# Altium PCB PCB.PcbDoc (part 8 of 10)
Units mil, origin at the board's own origin, x right, y up, seen from the top; angles counter-clockwise.
Board outline 4370.08 x 4921.26 mil, 6 copper layers (Component Side, Ground Plane I, Signal Layer 1, Power Plane, Ground Plane II, Solder Side), stack 57.638 mil thick; 274 components, 415 nets, 1726 pads, 902 vias.
Unrouted connection lines stored in the file: 2.
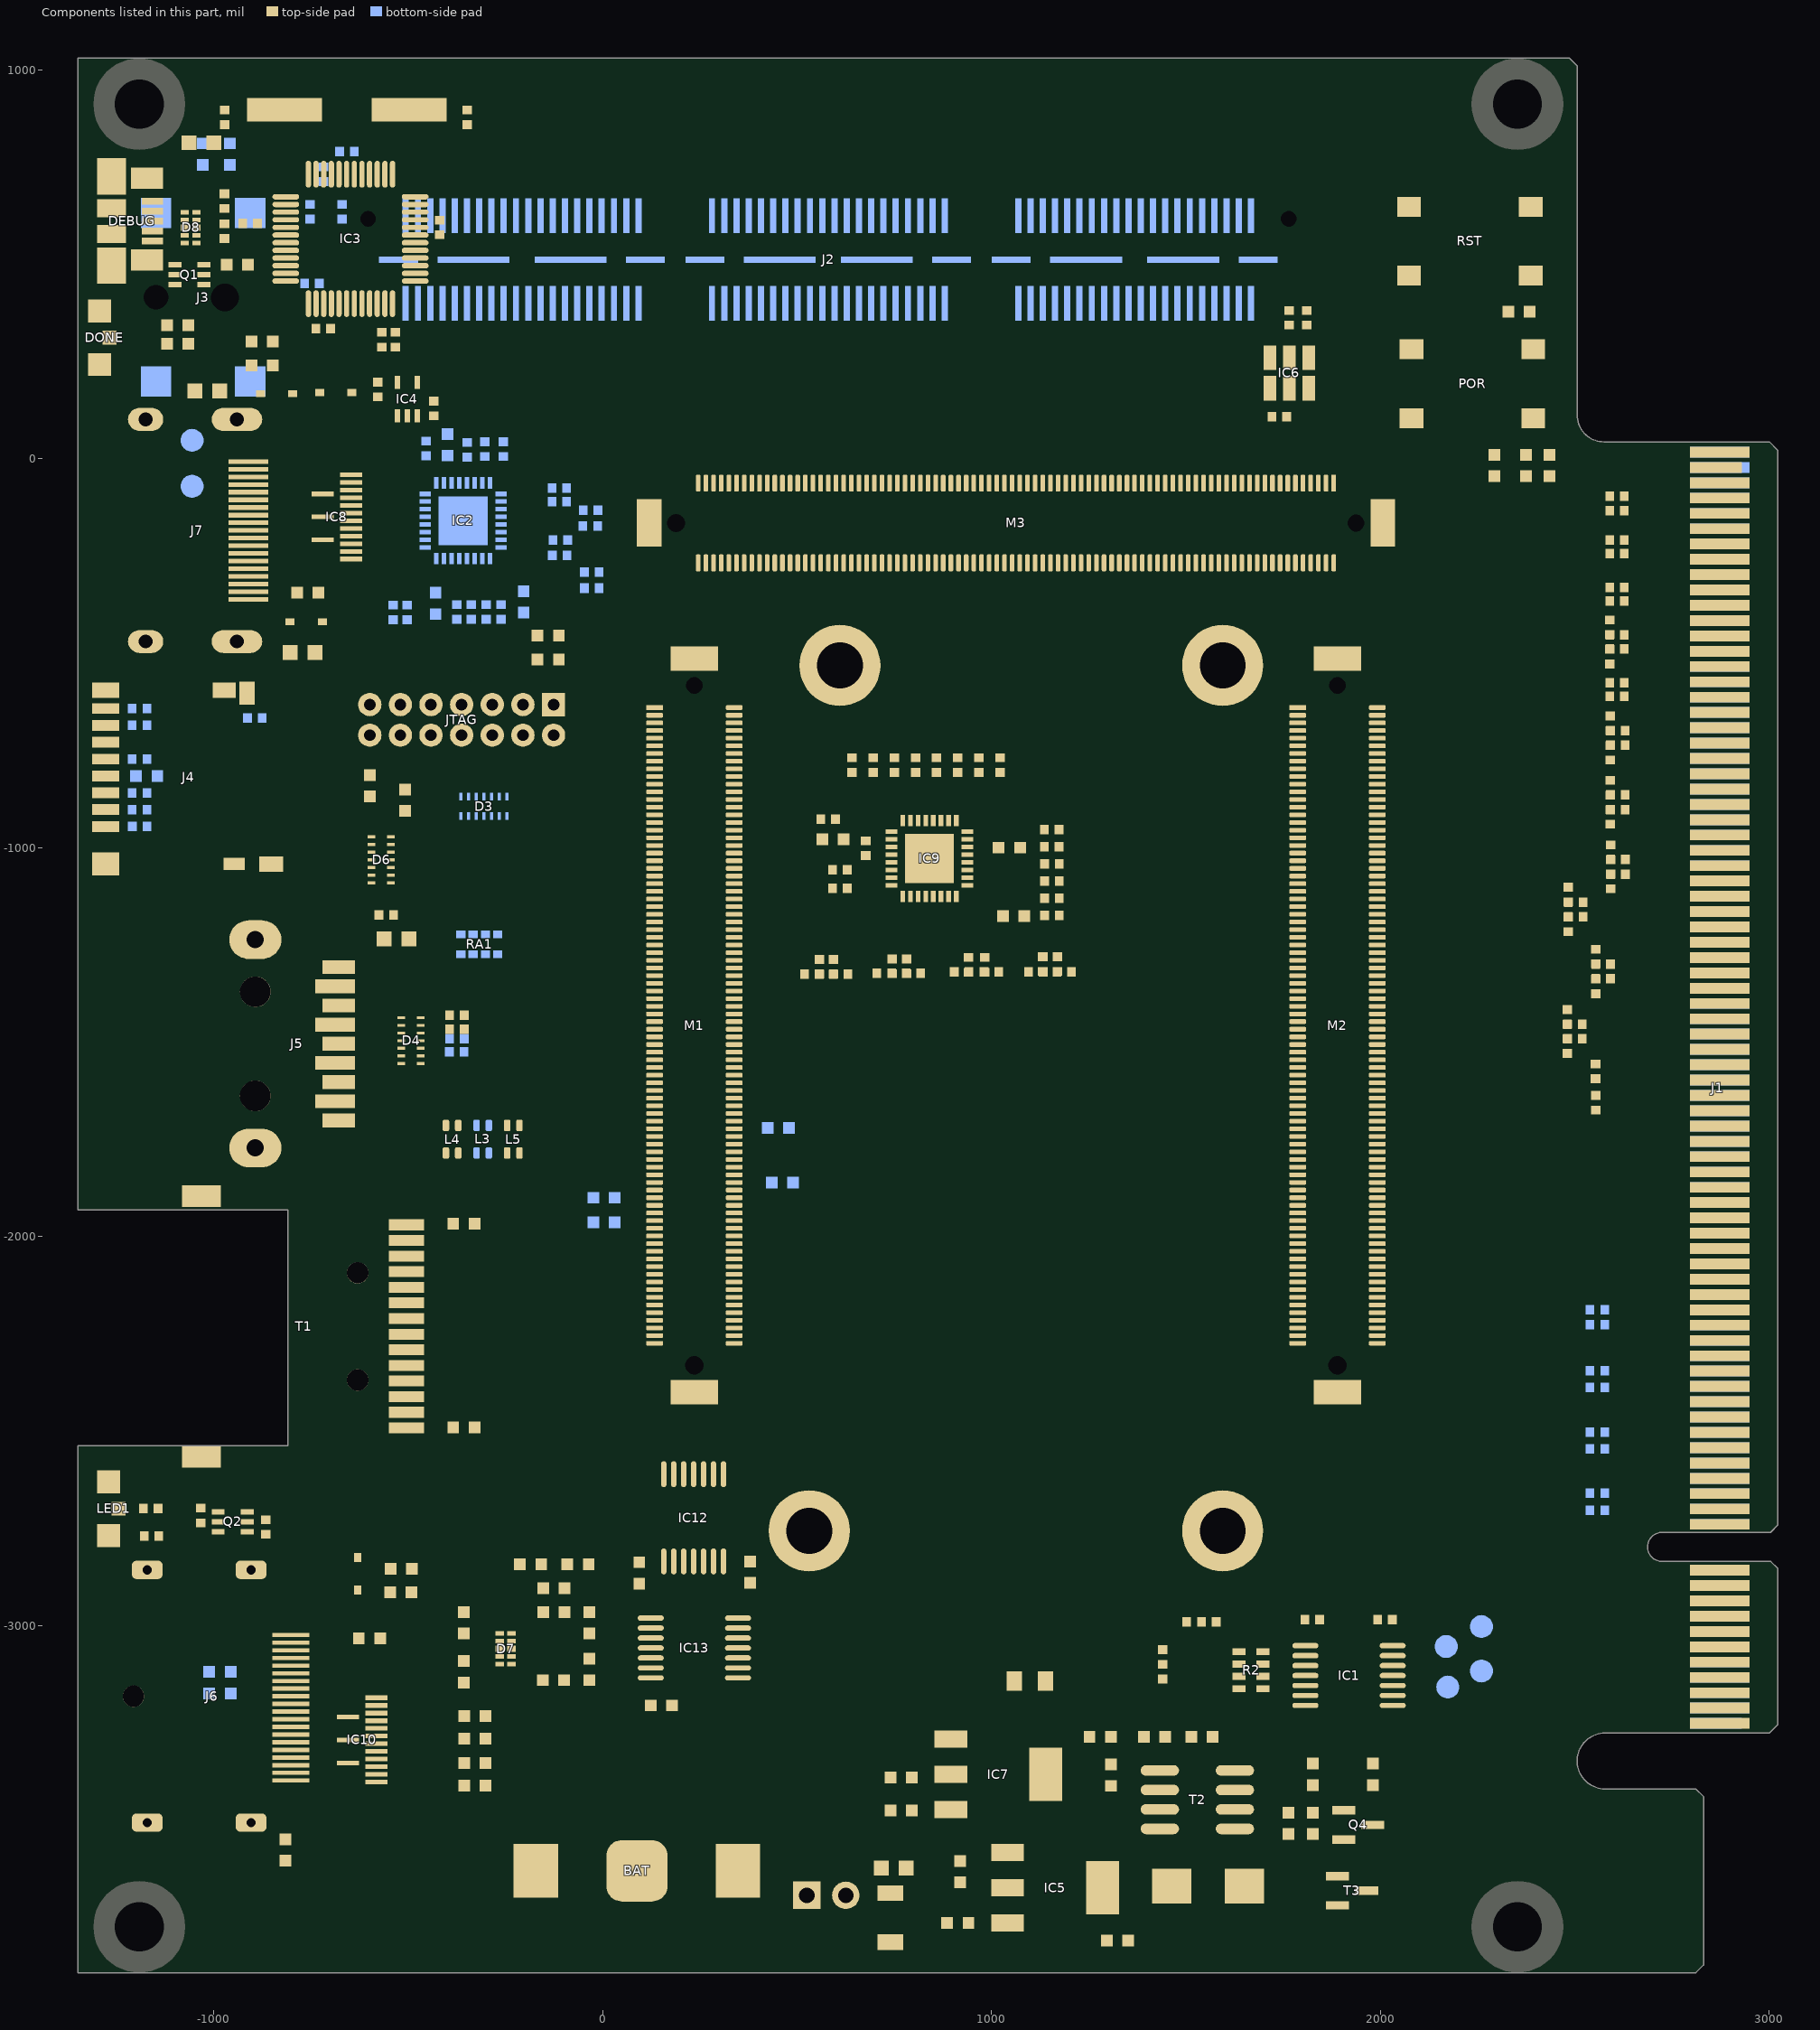
[diagram p12: the components of this part, seen from the top]

## Via types
v1: diameter 23.62, hole 9.84, Component Side to Solder Side, 902 vias

## Nets (pads, with @x,y where several pads share a name; then routed paths per layer and width w, separated by ;. In a path a pad name is that pad's centre, name@x,y a point inside that pad or via, vN(x,y) a via of type N, cw(c..) or ccw(c..) an arc to the next point about the centre after c; other vN are vias at no path point) (continued)
copper on no net: (continued)
  Component Side w0.39: 208.4,856.79 295.21,856.79 ; 208.4,857.18 295.21,857.18 ; 208.4,857.57 294.82,857.57 ; 208.4,857.96 294.82,857.96 ; 208.4,858.36 294.43,858.36 ; 208.4,858.75 294.43,858.75 ; 208.4,859.14 294.43,859.14 ; 208.4,859.53 294.04,859.53 ; 208.4,859.93 294.04,859.93 ; 208.4,860.32 294.04,860.32 ; 208.4,860.71 293.64,860.71 ; 208.4,861.11 293.64,861.11 ; 208.4,861.5 293.64,861.5 ; 208.4,861.89 293.25,861.89 ; 208.4,862.28 293.25,862.28 ; 208.4,862.68 293.25,862.68 ; 208.4,863.07 292.86,863.07 ; 208.4,863.46 292.86,863.46 ; 208.4,863.86 292.86,863.86 ; 208.4,864.25 292.86,864.25 ; 208.4,864.64 292.46,864.64 ; 208.4,865.03 292.46,865.03 ; 208.4,865.43 292.46,865.43 ; 208.4,865.82 292.46,865.82 ; 208.4,866.21 292.46,866.21 ; 208.4,866.61 292.07,866.61 ; 208.4,867 292.07,867 ; 208.4,867.39 292.07,867.39 ; 208.4,867.78 292.07,867.78 ; 208.4,868.18 292.07,868.18 ; 208.4,868.57 292.07,868.57 ; 208.4,868.96 292.07,868.96 ; 208.4,869.36 292.07,869.36 ; 208.4,869.75 292.07,869.75 ; 208.4,870.14 292.07,870.14 ; 208.4,870.53 292.07,870.53 ; 208.4,870.93 292.07,870.93 ; 208.4,871.32 291.68,871.32 ; 208.4,871.71 292.07,871.71 ; 208.4,872.11 292.07,872.11 ; 208.4,872.5 292.07,872.5 ; 208.4,872.89 292.07,872.89 ; 208.4,873.28 292.07,873.28 ; 208.4,873.68 292.07,873.68 ; 208.4,874.07 292.07,874.07 ; 208.4,874.46 292.07,874.46 ; 208.4,874.85 292.07,874.85 ; 208.4,875.25 292.07,875.25 ; 208.4,875.64 292.07,875.64 ; 208.4,876.03 292.07,876.03 ; 208.4,876.43 292.46,876.43 ; 208.4,876.82 292.46,876.82 ; 208.4,877.21 292.46,877.21 ; 208.4,877.6 292.46,877.6 ; 208.4,878 292.46,878 ; 208.4,878.39 292.46,878.39 ; 208.4,878.78 292.86,878.78 ; 208.4,879.18 292.86,879.18 ; 208.4,879.57 292.86,879.57 ; 208.4,879.96 292.86,879.96 ; 208.4,880.35 293.25,880.35 ; 208.4,880.75 293.25,880.75 ; 208.4,881.14 293.25,881.14 ; 208.4,881.53 293.64,881.53 ; 208.4,881.93 293.64,881.93 ; 208.4,882.32 293.64,882.32 ; 208.4,882.71 294.04,882.71 ; 208.4,883.1 294.04,883.1 ; 208.4,883.5 294.04,883.5 ; 208.4,883.89 294.43,883.89 ; 208.4,884.28 294.43,884.28 ; 208.4,884.68 294.82,884.68 ; 208.4,885.07 294.82,885.07 ; 208.4,885.46 295.21,885.46 ; 208.4,885.85 295.21,885.85 ; 208.4,886.25 295.61,886.25 ; 208.4,886.64 295.61,886.64 ; 208.79,856 295.61,856 ; 208.79,856.39 295.61,856.39 ; 208.79,887.03 296,887.03 ; 209.19,887.43 296,887.43 ; 209.58,855.61 296,855.61 ; 210.76,887.82 296.39,887.82 ; 211.15,855.21 296,855.21 ; 212.72,888.21 296.39,888.21 ; 213.11,854.82 296.39,854.82 ; 214.69,888.6 296.79,888.6 ; 215.47,854.43 296.79,854.43 ; 217.04,889 297.18,889 ; 217.44,854.04 296.79,854.04 ; 219.01,889.39 297.18,889.39 ; 219.4,853.64 297.18,853.64 ; 220.97,889.78 297.57,889.78 ; 221.76,853.25 297.57,853.25 ; 223.33,890.17 297.96,890.17 ; 223.72,852.86 297.57,852.86 ; 225.29,890.57 297.96,890.57 ; 225.69,852.46 297.96,852.46 ; 227.65,890.96 298.36,890.96 ; 228.04,852.07 298.36,852.07 ; 229.61,891.35 298.75,891.35 ; 230.01,851.68 298.36,851.68 ; 231.58,800.61 295.61,800.61 ; 231.58,801.01 295.61,801.01 ; 231.58,891.75 299.14,891.75 ; 231.58,942.03 417.38,942.03 ; 231.58,942.42 417.38,942.42 ; 231.97,799.83 295.21,799.83 ; 231.97,800.22 295.21,800.22 ; 231.97,801.4 295.61,801.4 ; 231.97,801.79 296,801.79 ; 231.97,941.24 416.99,941.24 ; 231.97,941.63 416.99,941.63 ; 231.97,942.81 416.99,942.81 ; 231.97,943.21 416.99,943.21 ; 232.36,799.43 294.82,799.43 ; 232.36,802.18 296,802.18 ; 232.36,802.58 296.39,802.58 ; 232.36,851.29 298.75,851.29 ; 232.36,940.85 416.59,940.85 ; 232.36,943.6 416.59,943.6 ; 232.76,799.04 294.82,799.04 ; 232.76,802.97 296.39,802.97 ; 232.76,940.06 416.2,940.06 ; 232.76,940.46 416.2,940.46 ; 232.76,943.99 416.2,943.99 ; 233.15,798.65 294.82,798.65 ; 233.15,803.36 296.79,803.36 ; 233.15,803.75 296.79,803.75 ; 233.15,939.67 415.81,939.67 ; 233.15,944.38 415.81,944.38 ; 233.54,798.26 294.43,798.26 ; 233.54,804.15 296.79,804.15 ; 233.54,938.88 415.42,938.88 ; 233.54,939.28 415.42,939.28 ; 233.54,944.78 415.42,944.78 ; 233.93,797.86 294.43,797.86 ; 233.93,804.54 297.18,804.54 ; 233.93,804.93 297.18,804.93 ; 233.93,892.14 299.14,892.14 ; 233.93,938.49 415.02,938.49 ; 233.93,945.17 415.02,945.17 ; 234.33,797.47 294.04,797.47 ; 234.33,805.33 297.57,805.33 ; 234.33,850.89 299.14,850.89 ; 234.33,937.71 414.63,937.71 ; 234.33,938.1 414.63,938.1 ; 234.33,945.56 414.63,945.56 ; 234.72,797.08 294.04,797.08 ; 234.72,805.72 297.57,805.72 ; 234.72,937.31 414.24,937.31 ; 234.72,945.95 414.24,945.95 ; 235.11,796.68 293.64,796.68 ; 235.11,806.11 297.57,806.11 ; 235.11,806.5 297.96,806.5 ; 235.11,936.53 413.84,936.53 ; 235.11,936.92 413.84,936.92 ; 235.11,946.35 413.84,946.35 ; 235.51,796.29 293.64,796.29 ; 235.51,806.9 297.96,806.9 ; 235.51,936.13 413.45,936.13 ; 235.51,946.74 413.45,946.74 ; 235.9,795.9 293.64,795.9 ; 235.9,807.29 298.36,807.29 ; 235.9,807.68 298.36,807.68 ; 235.9,892.53 299.53,892.53 ; 235.9,935.35 413.06,935.35 ; 235.9,935.74 413.06,935.74 ; 235.9,947.13 279.5,947.13 ; 236.29,795.51 293.25,795.51 ; 236.29,808.08 298.36,808.08 ; 236.29,850.5 299.53,850.5 ; 236.29,934.96 412.67,934.96 ; 236.29,947.53 278.72,947.53 ; 236.68,795.11 293.25,795.11 ; 236.68,808.47 298.75,808.47 ; 236.68,808.86 298.75,808.86 ; 236.68,934.56 412.27,934.56 ; 236.68,947.92 278.32,947.92 ; 237.08,794.72 277.93,794.72 ; 237.08,809.25 299.14,809.25 ; 237.08,933.78 411.88,933.78 ; 237.08,934.17 411.88,934.17 ; 237.08,948.31 277.93,948.31 ; 237.47,794.33 277.14,794.33 ; 237.47,809.65 299.14,809.65 ; 237.47,810.04 299.53,810.04 ; 237.47,933.38 411.49,933.38 ; 237.47,948.7 277.14,948.7 ; 237.86,793.93 276.36,793.93 ; 237.86,810.43 299.53,810.43 ; 237.86,850.11 299.93,850.11 ; 237.86,892.92 299.93,892.92 ; 237.86,932.6 411.1,932.6 ; 237.86,932.99 411.1,932.99 ; 237.86,949.1 276.75,949.1 ; 238.26,793.54 275.97,793.54 ; 238.26,810.83 299.53,810.83 ; 238.26,811.22 299.93,811.22 ; 238.26,932.21 410.7,932.21 ; 238.26,949.49 275.97,949.49 ; 238.65,793.15 275.18,793.15 ; 238.65,811.61 299.93,811.61 ; 238.65,849.32 300.32,849.32 ; 238.65,849.71 300.32,849.71 ; 238.65,893.32 300.32,893.32 ; 238.65,931.42 410.31,931.42 ; 238.65,931.81 410.31,931.81 ; 238.65,949.88 275.57,949.88 ; 239.04,792.76 274.79,792.76 ; 239.04,812 300.32,812 ; 239.04,848.93 300.71,848.93 ; 239.04,931.03 409.92,931.03 ; 239.04,950.28 274.79,950.28 ; 239.43,792.36 274,792.36 ; 239.43,812.4 300.32,812.4 ; 239.43,812.79 300.32,812.79 ; 239.43,847.75 302.28,847.75 ; 239.43,848.14 301.5,848.14 ; 239.43,848.54 301.11,848.54 ; 239.43,893.71 300.71,893.71 ; 239.43,930.24 409.52,930.24 ; 239.43,930.63 409.52,930.63 ; 239.43,950.67 274.39,950.67 ; 239.83,791.97 273.61,791.97 ; 239.83,813.18 300.71,813.18 ; 239.83,846.96 303.07,846.96 ; 239.83,847.36 302.68,847.36 ; 239.83,894.1 301.11,894.1 ; 239.83,894.5 301.5,894.5 ; 239.83,929.85 409.13,929.85 ; 239.83,951.06 273.61,951.06 ; 240.22,791.58 273.22,791.58 ; 240.22,813.58 300.71,813.58 ; 240.22,813.97 301.11,813.97 ; 240.22,845.79 304.25,845.79 ; 240.22,846.18 303.86,846.18 ; 240.22,846.57 303.46,846.57 ; 240.22,894.89 301.89,894.89 ; 240.22,895.28 302.28,895.28 ; 240.22,929.06 408.74,929.06 ; 240.22,929.46 408.74,929.46 ; 240.22,951.45 273.22,951.45 ; 240.61,791.18 272.43,791.18 ; 240.61,814.36 301.11,814.36 ; 240.61,845 305.43,845 ; 240.61,845.39 305.03,845.39 ; 240.61,895.67 302.68,895.67 ; 240.61,896.07 303.07,896.07 ; 240.61,896.46 303.46,896.46 ; 240.61,928.67 408.35,928.67 ; 240.61,951.85 272.43,951.85 ; 241.01,790.79 272.04,790.79 ; 241.01,814.75 301.5,814.75 ; 241.01,815.15 301.5,815.15 ; 241.01,843.82 307,843.82 ; 241.01,844.22 306.61,844.22 ; 241.01,844.61 305.82,844.61 ; 241.01,896.85 304.25,896.85 ; 241.01,897.25 304.64,897.25 ; 241.01,927.89 407.95,927.89 ; 241.01,928.28 407.95,928.28 ; 241.01,952.24 272.04,952.24 ; 241.4,790.4 271.25,790.4 ; 241.4,815.54 301.5,815.54 ; 241.4,843.04 308.18,843.04 ; 241.4,843.43 307.39,843.43 ; 241.4,897.64 305.03,897.64 ; 241.4,898.03 305.82,898.03 ; 241.4,927.49 407.56,927.49 ; 241.4,952.63 271.64,952.63 ; 241.79,790.01 270.86,790.01 ; 241.79,815.93 301.89,815.93 ; 241.79,816.32 301.89,816.32 ; 241.79,841.86 309.75,841.86 ; 241.79,842.25 309.36,842.25 ; 241.79,842.64 308.57,842.64 ; 241.79,898.42 306.21,898.42 ; 241.79,898.82 307,898.82 ; 241.79,899.21 307.39,899.21 ; 241.79,927.1 407.17,927.1 ; 241.79,953.03 270.86,953.03 ; 242.18,789.61 270.07,789.61 ; 242.18,816.72 302.28,816.72 ; 242.18,841.07 310.93,841.07 ; 242.18,841.47 310.53,841.47 ; 242.18,899.6 308.18,899.6 ; 242.18,900 308.96,900 ; 242.18,926.31 406.77,926.31 ; 242.18,926.71 406.77,926.71 ; 242.18,953.42 270.47,953.42 ; 242.58,789.22 269.68,789.22 ; 242.58,817.11 302.28,817.11 ; 242.58,817.5 302.28,817.5 ; 242.58,839.89 311.71,839.89 ; 242.58,840.29 311.71,840.29 ; 242.58,840.68 311.32,840.68 ; 242.58,900.39 309.75,900.39 ; 242.58,900.78 310.53,900.78 ; 242.58,925.92 406.38,925.92 ; 242.58,953.81 269.68,953.81 ; 242.97,788.83 268.9,788.83 ; 242.97,817.9 302.68,817.9 ; 242.97,839.11 311.32,839.11 ; 242.97,839.5 311.71,839.5 ; 242.97,901.17 311.32,901.17 ; 242.97,901.57 312.11,901.57 ; 242.97,901.96 313.28,901.96 ; 242.97,925.14 405.99,925.14 ; 242.97,925.53 405.99,925.53 ; 242.97,954.2 269.29,954.2 ; 243.36,788.44 268.5,788.44 ; 243.36,818.29 302.68,818.29 ; 243.36,818.68 303.07,818.68 ; 243.36,837.93 310.93,837.93 ; 243.36,838.32 310.93,838.32 ; 243.36,838.72 311.32,838.72 ; 243.36,902.35 314.07,902.35 ; 243.36,902.74 315.64,902.74 ; 243.36,924.74 405.6,924.74 ; 243.36,954.6 268.5,954.6 ; 243.75,788.04 267.72,788.04 ; 243.75,819.07 303.07,819.07 ; 243.75,837.14 310.53,837.14 ; 243.75,837.54 310.93,837.54 ; 243.75,903.14 317.21,903.14 ; 243.75,903.53 319.18,903.53 ; 243.75,903.92 322.32,903.92 ; 243.75,923.96 405.2,923.96 ; 243.75,924.35 405.2,924.35 ; 243.75,954.99 268.11,954.99 ; 244.15,787.65 267.32,787.65 ; 244.15,819.47 303.07,819.47 ; 244.15,835.97 310.14,835.97 ; 244.15,836.36 310.14,836.36 ; 244.15,836.75 310.53,836.75 ; 244.15,904.32 404.81,904.32 ; 244.15,904.71 404.81,904.71 ; 244.15,923.56 404.81,923.56 ; 244.15,955.38 267.32,955.38 ; 244.54,787.26 266.93,787.26 ; 244.54,819.86 303.46,819.86 ; 244.54,820.25 303.46,820.25 ; 244.54,835.18 309.75,835.18 ; 244.54,835.57 309.75,835.57 ; 244.54,905.1 404.42,905.1 ; 244.54,905.49 404.42,905.49 ; 244.54,922.78 404.42,922.78 ; 244.54,923.17 404.42,923.17 ; 244.54,955.78 266.93,955.78 ; 244.93,786.86 266.15,786.86 ; 244.93,820.65 303.86,820.65 ; 244.93,834 309.36,834 ; 244.93,834.39 309.36,834.39 ; 244.93,834.79 309.75,834.79 ; 244.93,905.89 404.02,905.89 ; 244.93,906.28 404.02,906.28 ; 244.93,906.67 404.02,906.67 ; 244.93,922.39 404.02,922.39 ; 244.93,956.17 266.15,956.17 ; 245.33,786.47 265.75,786.47 ; 245.33,821.04 303.86,821.04 ; 245.33,821.43 304.25,821.43 ; 245.33,833.22 308.96,833.22 ; 245.33,833.61 308.96,833.61 ; 245.33,907.07 403.63,907.07 ; 245.33,907.46 403.63,907.46 ; 245.33,921.6 403.63,921.6 ; 245.33,921.99 403.63,921.99 ; 245.33,956.56 265.75,956.56 ; 245.72,786.08 264.97,786.08 ; 245.72,821.82 304.25,821.82 ; 245.72,832.04 308.57,832.04 ; 245.72,832.43 308.57,832.43 ; 245.72,832.82 308.96,832.82 ; 245.72,907.85 403.24,907.85 ; 245.72,908.24 403.24,908.24 ; 245.72,921.21 403.24,921.21 ; 245.72,956.95 264.97,956.95 ; 246.11,785.69 264.57,785.69 ; 246.11,822.22 304.25,822.22 ; 246.11,822.61 304.64,822.61 ; 246.11,831.25 308.18,831.25 ; 246.11,831.64 308.18,831.64 ; 246.11,908.64 402.85,908.64 ; 246.11,909.03 402.85,909.03 ; 246.11,909.42 402.85,909.42 ; 246.11,920.81 402.85,920.81 ; 246.11,957.35 264.57,957.35 ; 246.5,785.29 263.79,785.29 ; 246.5,823 304.64,823 ; 246.5,830.07 307.78,830.07 ; 246.5,830.47 307.78,830.47 ; 246.5,830.86 307.78,830.86 ; 246.5,909.82 402.45,909.82 ; 246.5,910.21 402.45,910.21 ; 246.5,920.03 402.45,920.03 ; 246.5,920.42 402.45,920.42 ; 246.5,957.74 264.18,957.74 ; 246.9,784.9 263.4,784.9 ; 246.9,823.4 305.03,823.4 ; 246.9,823.79 305.03,823.79 ; 246.9,829.29 307.39,829.29 ; 246.9,829.68 307.39,829.68 ; 246.9,910.6 402.06,910.6 ; 246.9,910.99 402.06,910.99 ; 246.9,919.64 402.06,919.64 ; 246.9,958.13 263.4,958.13 ; 247.29,784.51 262.61,784.51 ; 247.29,824.18 305.03,824.18 ; 247.29,828.11 307,828.11 ; 247.29,828.5 307,828.5 ; 247.29,828.9 307,828.9 ; 247.29,911.39 401.67,911.39 ; 247.29,911.78 401.67,911.78 ; 247.29,912.17 401.67,912.17 ; 247.29,918.85 401.67,918.85 ; 247.29,919.24 401.67,919.24 ; 247.29,958.52 263,958.52 ; 247.68,784.11 262.22,784.11 ; 247.68,824.57 305.43,824.57 ; 247.68,824.97 305.43,824.97 ; 247.68,827.32 306.61,827.32 ; 247.68,827.72 306.61,827.72 ; 247.68,912.57 401.27,912.57 ; 247.68,912.96 401.27,912.96 ; 247.68,918.46 401.27,918.46 ; 247.68,958.92 262.22,958.92 ; 248.08,783.72 261.43,783.72 ; 248.08,825.36 305.82,825.36 ; 248.08,825.75 305.82,825.75 ; 248.08,826.15 306.21,826.15 ; 248.08,826.54 306.21,826.54 ; 248.08,826.93 306.21,826.93 ; 248.08,913.35 400.88,913.35 ; 248.08,913.74 400.88,913.74 ; 248.08,917.67 400.88,917.67 ; 248.08,918.06 400.88,918.06 ; 248.08,959.31 261.82,959.31 ; 248.47,783.33 261.04,783.33 ; 248.47,914.14 400.49,914.14 ; 248.47,914.53 400.49,914.53 ; 248.47,914.92 400.49,914.92 ; 248.47,916.89 400.49,916.89 ; 248.47,917.28 400.49,917.28 ; 248.47,959.7 261.04,959.7 ; 248.86,782.94 260.65,782.94 ; 248.86,915.31 400.1,915.31 ; 248.86,915.71 400.1,915.71 ; 248.86,916.1 400.1,916.1 ; 248.86,916.49 400.1,916.49 ; 248.86,960.1 260.65,960.1 ; 249.25,782.54 259.86,782.54 ; 249.25,960.49 259.86,960.49 ; 249.65,782.15 259.47,782.15 ; 249.65,960.88 259.47,960.88 ; 250.04,781.76 258.68,781.76 ; 250.04,961.27 258.68,961.27 ; 250.43,781.36 258.29,781.36 ; 250.43,961.67 258.29,961.67 ; 250.83,780.97 257.5,780.97 ; 250.83,962.06 257.9,962.06 ; 251.22,780.58 257.11,780.58 ; 251.22,962.45 257.11,962.45 ; 251.61,780.19 256.32,780.19 ; 251.61,962.85 256.72,962.85 ; 252,779.79 255.93,779.79 ; 252,963.24 255.93,963.24 ; 252.4,779.4 255.15,779.4 ; 252.4,963.63 255.54,963.63 ; 252.79,964.02 254.75,964.02 ; 253.18,779.01 254.75,779.01 ; 278.72,794.72 292.86,794.72 ; 279.89,794.33 292.86,794.33 ; 280.68,793.93 292.86,793.93 ; 281.47,793.54 292.46,793.54 ; 281.86,947.13 367.1,947.13 ; 282.25,793.15 292.46,793.15 ; 282.64,947.53 366.31,947.53 ; 283.04,792.76 292.07,792.76 ; 283.43,792.36 292.07,792.36 ; 283.43,947.92 365.53,947.92 ; 284.22,791.97 292.07,791.97 ; 284.61,948.31 364.35,948.31 ; 285,791.58 291.68,791.58 ; 285.39,948.7 363.56,948.7 ; 285.79,791.18 291.68,791.18 ; 286.57,790.79 291.29,790.79 ; 286.57,949.1 362.39,949.1 ; 287.36,790.4 291.29,790.4 ; 287.36,949.49 361.6,949.49 ; 288.14,790.01 290.89,790.01 ; 288.54,949.88 360.42,949.88 ; 288.93,789.61 290.89,789.61 ; 289.32,950.28 359.64,950.28 ; 289.71,789.22 290.5,789.22 ; 290.5,950.67 358.85,950.67 ; 291.29,951.06 357.67,951.06 ; 292.07,951.45 356.89,951.45 ; 293.25,951.85 355.71,951.85 ; 294.04,952.24 354.92,952.24 ; 295.21,952.63 353.74,952.63 ; 296,953.03 352.96,953.03 ; 297.18,953.42 351.78,953.42 ; 297.96,953.81 350.99,953.81 ; 298.75,954.2 350.21,954.2 ; 299.93,954.6 349.03,954.6 ; 300.71,954.99 348.24,954.99 ; 301.5,955.38 347.46,955.38 ; 302.28,955.78 346.67,955.78 ; 302.68,956.17 346.28,956.17 ; 302.68,956.56 346.28,956.56 ; 303.07,956.95 345.89,956.95 ; 303.07,957.35 345.89,957.35 ; 303.07,957.74 345.89,957.74 ; 303.07,958.13 345.89,958.13 ; 303.07,958.52 345.89,958.52 ; 303.46,958.92 345.49,958.92 ; 303.46,959.31 345.49,959.31 ; 303.46,959.7 345.49,959.7 ; 303.46,960.1 345.49,960.1 ; 303.46,960.49 345.49,960.49 ; 303.46,960.88 345.49,960.88 ; 303.86,961.27 345.1,961.27 ; 303.86,961.67 345.1,961.67 ; 303.86,962.06 345.1,962.06 ; 303.86,962.45 345.1,962.45 ; 303.86,962.85 345.1,962.85 ; 304.25,963.24 344.71,963.24 ; 304.25,963.63 344.71,963.63 ; 304.25,964.02 344.71,964.02 ; 304.25,964.42 344.71,964.42 ; 304.25,964.81 344.71,964.81 ; 304.64,965.2 344.32,965.2 ; 304.64,965.6 344.32,965.6 ; 304.64,965.99 344.32,965.99 ; 304.64,966.38 344.32,966.38 ; 304.64,966.77 344.32,966.77 ; 304.64,967.17 344.32,967.17 ; 305.03,967.56 343.92,967.56 ; 305.03,967.95 343.92,967.95 ; 305.03,968.35 343.92,968.35 ; 305.03,968.74 343.92,968.74 ; 305.03,969.13 343.92,969.13 ; 305.43,969.52 343.53,969.52 ; 305.43,969.92 343.53,969.92 ; 305.43,970.31 343.53,970.31 ; 305.43,970.7 343.53,970.7 ; 305.43,971.1 343.53,971.1 ; 305.82,971.49 343.53,971.49 ; 305.82,971.88 343.14,971.88 ; 305.82,972.27 343.14,972.27 ; 305.82,972.67 343.14,972.67 ; 305.82,973.06 343.14,973.06 ; 305.82,973.45 343.14,973.45 ; 306.21,973.84 342.74,973.84 ; 306.21,974.24 342.74,974.24 ; 306.21,974.63 342.74,974.63 ; 306.21,975.02 342.74,975.02 ; 306.21,975.42 342.74,975.42 ; 306.61,975.81 342.35,975.81 ; 306.61,976.2 342.35,976.2 ; 306.61,976.59 342.35,976.59 ; 306.61,976.99 342.35,976.99 ; 306.61,977.38 342.35,977.38 ; 306.61,977.77 342.35,977.77 ; 307,978.17 341.96,978.17 ; 307,978.56 341.96,978.56 ; 307,978.95 341.96,978.95 ; 307,979.34 341.96,979.34 ; 307,979.74 341.96,979.74 ; 307.39,980.13 341.57,980.13 ; 307.39,980.52 341.57,980.52 ; 307.39,980.92 341.57,980.92 ; 307.39,981.31 341.57,981.31 ; 307.39,981.7 341.57,981.7 ; 307.78,982.09 341.17,982.09 ; 307.78,982.49 341.17,982.49 ; 307.78,982.88 341.17,982.88 ; 307.78,983.27 341.17,983.27 ; 307.78,983.67 341.17,983.67 ; 307.78,984.06 341.17,984.06 ; 308.18,984.45 340.78,984.45 ; 308.18,984.84 340.78,984.84 ; 308.18,985.24 340.78,985.24 ; 308.18,985.63 340.78,985.63 ; 308.18,986.02 340.78,986.02 ; 308.57,986.42 340.39,986.42 ; 308.57,986.81 340.39,986.81 ; 308.96,987.2 340,987.2 ; 309.75,987.59 339.21,987.59 ; 326.64,903.92 405.2,903.92 ; 329.78,903.53 405.2,903.53 ; 331.75,903.14 405.2,903.14 ; 333.32,902.74 405.6,902.74 ; 334.89,902.35 405.6,902.35 ; 335.67,901.96 405.99,901.96 ; 336.85,901.57 405.99,901.57 ; 337.25,839.5 405.99,839.5 ; 337.25,839.89 406.38,839.89 ; 337.25,840.29 406.38,840.29 ; 337.64,838.72 405.6,838.72 ; 337.64,839.11 405.99,839.11 ; 337.64,840.68 406.38,840.68 ; 337.64,901.17 405.99,901.17 ; 338.03,837.54 405.2,837.54 ; 338.03,837.93 405.6,837.93 ; 338.03,838.32 405.6,838.32 ; 338.03,841.07 406.77,841.07 ; 338.42,836.75 404.81,836.75 ; 338.42,837.14 405.2,837.14 ; 338.42,841.47 406.77,841.47 ; 338.42,900.78 406.38,900.78 ; 338.82,835.97 404.81,835.97 ; 338.82,836.36 404.81,836.36 ; 339.21,834.79 404.02,834.79 ; 339.21,835.18 404.42,835.18 ; 339.21,835.57 404.42,835.57 ; 339.21,841.86 407.17,841.86 ; 339.21,900.39 406.38,900.39 ; 339.6,834 404.02,834 ; 339.6,834.39 404.02,834.39 ; 339.6,842.25 407.17,842.25 ; 340,832.82 403.24,832.82 ; 340,833.22 403.63,833.22 ; 340,833.61 403.63,833.61 ; 340,900 406.77,900 ; 340.39,832.04 403.24,832.04 ; 340.39,832.43 403.24,832.43 ; 340.39,842.64 407.17,842.64 ; 340.78,831.25 402.85,831.25 ; 340.78,831.64 402.85,831.64 ; 340.78,843.04 407.56,843.04 ; 340.78,899.6 406.77,899.6 ; 341.17,830.07 402.45,830.07 ; 341.17,830.47 402.45,830.47 ; 341.17,830.86 402.45,830.86 ; 341.57,829.29 402.06,829.29 ; 341.57,829.68 402.06,829.68 ; 341.57,843.43 407.56,843.43 ; 341.57,899.21 407.17,899.21 ; 341.96,828.11 401.67,828.11 ; 341.96,828.5 401.67,828.5 ; 341.96,828.9 401.67,828.9 ; 341.96,843.82 407.95,843.82 ; 341.96,898.82 407.17,898.82 ; 342.35,827.32 401.27,827.32 ; 342.35,827.72 401.27,827.72 ; 342.35,844.22 407.95,844.22 ; 342.74,826.15 400.88,826.15 ; 342.74,826.54 400.88,826.54 ; 342.74,826.93 400.88,826.93 ; 342.74,898.42 407.17,898.42 ; 343.14,825.36 400.88,825.36 ; 343.14,825.75 400.88,825.75 ; 343.14,844.61 407.95,844.61 ; 343.14,898.03 407.56,898.03 ; 343.53,824.57 401.27,824.57 ; 343.53,824.97 401.27,824.97 ; 343.53,845 408.35,845 ; 343.92,823.4 402.06,823.4 ; 343.92,823.79 402.06,823.79 ; 343.92,824.18 401.67,824.18 ; 343.92,845.39 408.35,845.39 ; 343.92,897.64 407.56,897.64 ; 344.32,822.61 402.85,822.61 ; 344.32,823 402.45,823 ; 344.32,897.25 407.95,897.25 ; 344.71,821.43 403.63,821.43 ; 344.71,821.82 403.24,821.82 ; 344.71,822.22 402.85,822.22 ; 344.71,845.79 408.74,845.79 ; 344.71,896.85 407.95,896.85 ; 345.1,820.65 404.02,820.65 ; 345.1,821.04 403.63,821.04 ; 345.1,846.18 408.74,846.18 ; 345.49,819.86 404.42,819.86 ; 345.49,820.25 404.42,820.25 ; 345.49,846.57 408.74,846.57 ; 345.49,896.46 408.35,896.46 ; 345.89,818.68 405.6,818.68 